# Altium PCB DM1098EMB.PcbDoc (part 2 of 3)
Units mm, origin at the board's own origin, x right, y up, seen from the top; angles counter-clockwise.
Board outline 60 x 40 mm, 4 copper layers (Top Copper, Signal Layer 1, Layer 1, Bottom Layer), stack 1.602 mm thick; 110 components, 113 nets, 514 pads, 381 vias.
Unrouted connection lines stored in the file: 3.
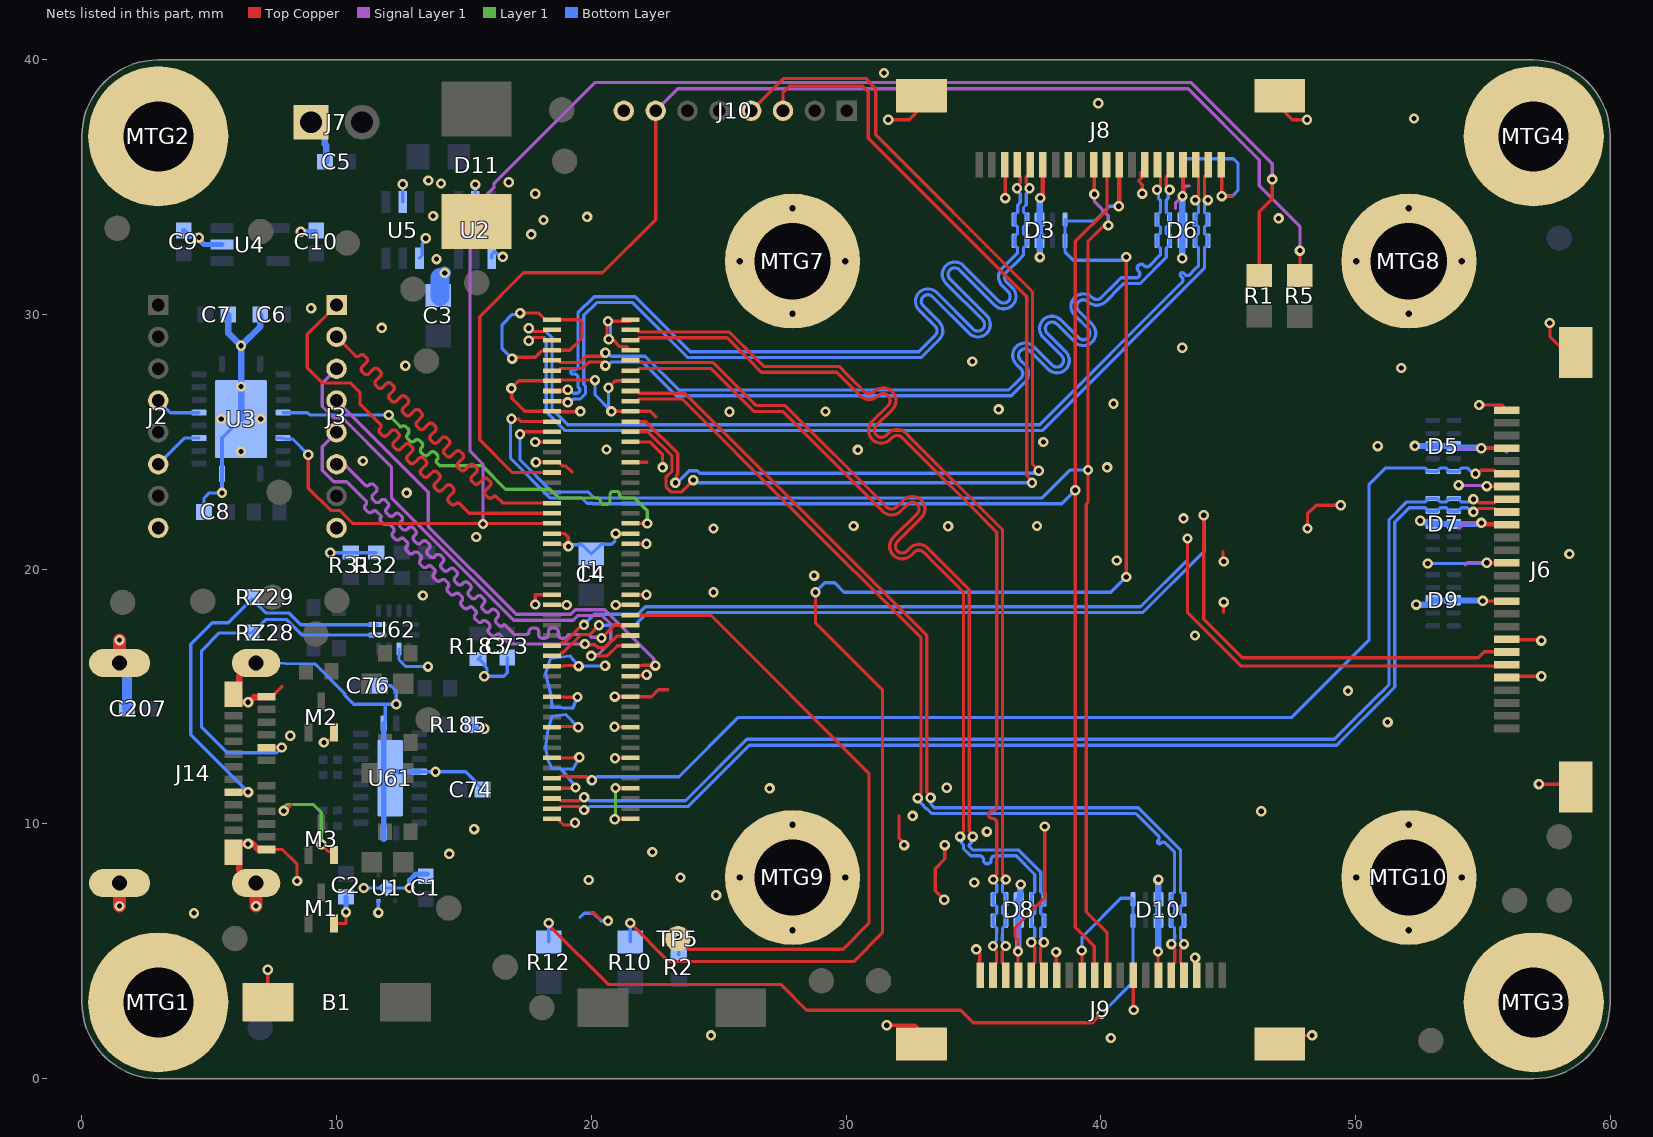
[diagram p4: the nets of this part, all layers, seen from the top]

## Via types
v1: diameter 0.406, hole 0.203, Top Copper to Bottom Layer, tented both sides, 359 vias
v2: diameter 0.508, hole 0.254, Top Copper to Bottom Layer, 18 vias
v3: diameter 0.508, hole 0.254, Top Copper to Bottom Layer, tented both sides, 4 vias

## Nets (pads, with @x,y where several pads share a name; then routed paths per layer and width w, separated by ;. In a path a pad name is that pad's centre, name@x,y a point inside that pad or via, vN(x,y) a via of type N, cw(c..) or ccw(c..) an arc to the next point about the centre after c; other vN are vias at no path point) (continued)
CAM_L_C_N: D6.5 D6.6 J1.95 J8.2 | length 37.9
  Top Copper w0.127: v1(17.542,28.971) 17.617,28.971 17.751,29.104 18.096,29.104 18.2,29 J1.95@18.46,29 ; v1(44.206,34.493) 44.206,34.568 44.073,34.702 44.073,35.2 44.073,35.405 44.209,35.541 J8.2@44.209,35.891
  Bottom Layer w0.127: v1(17.542,28.971) 17.617,28.971 17.751,29.104 18.128,29.104 18.231,29 18.231,26.195 18.298,26.128 18.981,25.446 37.698,25.446 44.073,31.821 44.073,32.603 44.147,32.677 44.172,32.677 44.209,32.714 D6.6@44.209,32.897 44.209,33.079 44.172,33.116 44.147,33.116 44.073,33.19 44.073,33.438 44.147,33.512 44.172,33.512 44.209,33.549 D6.5@44.209,33.731 44.209,33.914 44.172,33.951 44.147,33.951 44.073,34.025 44.073,34.284 44.206,34.417 v1(44.206,34.493)
CAM_L_C_P: D6.4 D6.7 J1.97 J8.3 | length 37.9
  Top Copper w0.127: v1(17.542,29.466) 17.617,29.466 17.751,29.333 18.133,29.333 18.2,29.4 J1.97@18.46,29.4 ; J8.3@43.709,35.891 43.709,35.541 43.844,35.405 43.844,35.105 43.844,34.702 43.711,34.568 v1(43.711,34.493)
  Bottom Layer w0.127: v1(17.542,29.466) 17.617,29.466 17.751,29.333 18.222,29.333 18.46,29.095 18.46,26.29 19.075,25.675 37.603,25.675 43.153,31.224 43.198,31.269 ccw(c43.108,31.359) 43.198,31.448 43.143,31.503 cw(c43.202,31.562) 43.143,31.621 cw(c43.202,31.562) 43.261,31.621 43.316,31.566 ccw(c43.405,31.656) 43.495,31.566 43.7,31.771 43.844,31.916 43.844,32.603 43.77,32.677 43.745,32.677 43.709,32.714 D6.7@43.709,32.897 43.709,33.079 43.745,33.116 43.77,33.116 43.844,33.19 43.844,33.438 43.77,33.512 43.745,33.512 43.709,33.549 D6.4@43.709,33.731 43.709,33.914 43.745,33.951 43.77,33.951 43.844,34.025 43.844,34.284 43.711,34.417 v1(43.711,34.493)
CAM_L_D0_N: D6.2 D6.9 J1.89 J8.5 | length 37.9
  Top Copper w0.127: J1.89@18.46,27.8 18.72,27.8 18.806,27.886 19.65,27.886 19.9,28.135 20.481,28.135 20.555,28.061 v1(20.555,27.996) ; v1(42.706,34.899) 42.676,34.899 42.573,35.002 42.573,35.2 42.573,35.405 42.709,35.541 J8.5@42.709,35.891
  Bottom Layer w0.127: v1(20.555,27.996) 20.629,27.996 20.769,28.135 22.013,28.135 23.336,26.812 36.495,26.812 36.901,27.219 37.026,27.344 ; 36.847,28.213 cw(c37.029,28.396) 37.213,28.578 ; 36.847,28.213 37.026,28.034 ; 37.027,27.345 ccw(c36.682,27.689) 37.06,27.996 37.06,28 37.027,28.033 ; 37.213,28.578 37.937,27.853 ccw(c38.282,28.198) 38.626,27.852 ; 38.626,28.542 37.902,29.267 cw(c38.084,29.45) 38.267,29.632 38.974,28.926 ccw(c39.319,29.27) 39.662,28.925 ; 38.627,27.854 ccw(c38.282,28.198) 38.66,28.505 38.66,28.509 38.627,28.542 ; 39.502,30.507 ccw(c39.846,30.852) 40.19,30.508 40.773,31.091 ; 39.502,30.507 cw(c39.846,30.852) 39.501,30.508 ccw(c39.318,30.325) 39.136,30.142 39.662,29.615 cw(c39.319,29.27) 39.664,28.926 ; 40.774,31.092 40.899,31.217 41.542,31.217 42.573,32.248 42.573,32.603 42.647,32.677 42.672,32.677 42.709,32.714 D6.9@42.709,32.897 42.709,33.079 42.672,33.116 42.647,33.116 42.573,33.19 42.573,33.438 42.647,33.512 42.672,33.512 42.709,33.549 D6.2@42.709,33.731 42.709,33.914 42.672,33.951 42.647,33.951 42.573,34.025 42.573,34.493 42.653,34.573 42.653,34.846 v1(42.706,34.899)
CAM_L_D0_P: D6.1 D6.10 J1.91 J8.6 | length 37.9
  Top Copper w0.127: J1.91@18.46,28.2 18.72,28.2 18.806,28.114 19.555,28.114 19.805,28.364 20.481,28.364 20.555,28.438 v1(20.555,28.504) ; J8.6@42.209,35.891 42.209,35.541 42.344,35.405 42.344,35.105 42.344,35.002 42.241,34.899 v1(42.211,34.899)
  Bottom Layer w0.127: v1(20.555,28.504) 20.629,28.504 20.769,28.364 22.108,28.364 23.431,27.041 36.4,27.041 36.739,27.38 36.864,27.505 ccw(c36.682,27.689) 36.864,27.872 36.685,28.051 cw(c37.029,28.396) 37.337,28.774 37.34,28.774 37.373,28.741 ; 37.374,28.74 38.099,28.015 ccw(c38.282,28.198) 38.465,28.015 ccw(c38.282,28.198) 38.464,28.381 37.74,29.106 cw(c38.084,29.45) 38.391,29.828 38.395,29.828 38.428,29.795 ; 38.429,29.794 39.135,29.088 ccw(c39.319,29.27) 39.502,29.087 ccw(c39.319,29.27) 39.502,29.453 38.974,29.98 cw(c39.318,30.325) 39.663,30.669 ccw(c39.846,30.852) 40.029,30.67 40.612,31.252 40.738,31.379 40.805,31.445 41.447,31.445 41.492,31.49 ccw(c41.384,31.598) 41.492,31.706 41.481,31.717 cw(c41.589,31.825) 41.481,31.932 cw(c41.589,31.825) 41.696,31.932 41.707,31.921 ccw(c41.815,32.029) 41.923,31.921 42.344,32.343 42.344,32.473 42.344,32.603 42.27,32.677 42.245,32.677 42.209,32.714 D6.10@42.209,32.897 42.209,33.079 42.245,33.116 42.27,33.116 42.344,33.19 42.344,33.438 42.27,33.512 42.245,33.512 42.209,33.549 D6.1@42.209,33.731 42.209,33.914 42.245,33.951 42.27,33.951 42.344,34.025 42.344,34.493 42.264,34.573 42.264,34.846 v1(42.211,34.899)
CAM_L_D1_N: D3.2 D3.9 J1.83 J8.16 | length 37.9
  Top Copper w0.127: v1(37.206,34.96) 37.206,35.036 37.073,35.169 37.073,35.405 37.209,35.541 J8.16@37.209,35.891
  Top Copper w0.178: J1.83@18.46,26.6 v1@18.967,26.599
  Bottom Layer w0.127: v1(19.075,26.552) 19.151,26.552 19.284,26.686 19.564,26.686 19.772,26.894 19.772,27.189 19.705,27.256 19.705,29.969 20.207,30.471 21.632,30.471 23.787,28.315 32.953,28.315 33.338,28.7 33.533,28.896 33.658,29.021 ; 33.396,30.704 34.834,29.266 ccw(c35.179,29.61) 35.523,29.265 ; 33.396,30.704 ccw(c33.212,30.522) 33.03,30.339 33.658,29.711 ; 33.659,29.022 ccw(c33.314,29.366) 33.692,29.673 33.692,29.677 33.659,29.71 ; 35.524,29.954 35.557,29.921 35.557,29.917 cw(c35.179,29.61) 35.524,29.266 ; 35.523,29.955 34.085,31.393 cw(c34.267,31.576) 34.45,31.758 35.843,30.366 ccw(c36.187,30.71) 36.531,30.365 ; 36.533,30.366 ccw(c36.187,30.71) 36.531,31.055 36.294,31.292 cw(c36.477,31.475) 36.295,31.658 36.818,32.18 ; 36.818,32.181 36.944,32.306 36.966,32.329 36.966,32.603 37.04,32.677 37.065,32.677 37.101,32.714 D3.9@37.101,32.896 37.101,33.079 37.065,33.115 37.04,33.115 36.966,33.19 36.966,33.438 37.04,33.512 37.065,33.512 37.101,33.549 D3.2@37.101,33.731 ; D3.2@37.104,33.731 37.104,33.914 37.067,33.951 37.042,33.951 36.968,34.025 36.968,34.205 37.073,34.309 37.073,34.751 37.206,34.885 v1(37.206,34.96)
CAM_L_D1_P: D3.1 D3.10 J1.85 J8.17 | length 37.9
  Top Copper w0.127: J8.17@36.709,35.891 36.709,35.541 36.844,35.405 36.844,35.169 36.711,35.036 v1(36.711,34.96)
  Top Copper w0.178: J1.85@18.46,27 v1@18.967,27.001
  Bottom Layer w0.127: v1(19.075,27.048) 19.151,27.048 19.284,26.914 19.469,26.914 19.543,26.989 19.543,27.094 19.476,27.161 19.476,27.475 19.476,27.539 ccw(c19.349,27.539) 19.349,27.666 19.28,27.666 cw(c19.28,27.749) 19.28,27.833 19.349,27.833 ccw(c19.349,27.96) 19.476,27.96 19.476,28.456 19.476,30.064 20.112,30.699 21.726,30.699 23.882,28.544 32.858,28.544 33.176,28.862 33.371,29.057 33.496,29.182 ccw(c33.314,29.366) 33.496,29.549 32.868,30.177 cw(c33.212,30.522) 33.52,30.9 33.523,30.9 33.556,30.867 ; 33.557,30.866 34.995,29.428 ; 34.611,31.921 34.578,31.954 34.574,31.954 ccw(c34.267,31.576) 33.923,31.232 35.361,29.794 cw(c35.179,29.61) 35.362,29.427 cw(c35.179,29.61) 34.996,29.427 ; 34.611,31.92 36.004,30.528 ccw(c36.187,30.71) 36.37,30.527 ccw(c36.187,30.71) 36.37,30.893 36.134,31.129 cw(c36.477,31.475) 36.133,31.819 36.656,32.342 ; D3.1@36.601,33.731 36.601,33.549 36.638,33.512 36.663,33.512 36.737,33.438 36.737,33.19 36.663,33.115 36.638,33.115 36.601,33.079 D3.10@36.601,32.896 36.601,32.714 36.638,32.677 36.663,32.677 36.737,32.603 36.737,32.513 36.737,32.423 36.657,32.343 ; D3.1@36.604,33.731 36.604,33.914 36.64,33.951 36.665,33.951 36.739,34.025 36.739,34.299 36.844,34.404 36.844,34.751 36.711,34.885 v1(36.711,34.96)
CAM_R_C_N: D8.5 D8.6 J1.96 J9.2 | length 38.2
  Top Copper w0.127: J1.96@21.54,29 21.8,29 21.886,29.086 25.33,29.086 26.176,28.24 26.68,27.737 29.639,27.737 29.855,27.52 29.934,27.441 30.556,26.819 ccw(c30.912,27.173) 31.267,26.819 cw(c31.46,26.625) 31.653,26.819 ; 31.032,25.81 ccw(c31.387,25.455) 31.032,25.1 ccw(c31.387,25.455) 31.742,25.1 31.815,25.173 cw(c32.009,24.98) 32.202,25.173 ; 31.032,25.811 31.653,26.431 ; 31.653,26.431 ccw(c31.46,26.625) 31.654,26.818 ; 32.203,25.173 32.328,25.047 33.543,23.833 34.73,22.645 35.915,21.46 35.915,11.044 35.915,10.673 cw(c35.761,10.673) 35.761,10.52 35.747,10.52 ccw(c35.747,10.366) 35.747,10.213 35.761,10.213 cw(c35.761,10.059) 35.915,10.059 35.915,9.684 35.915,8.031 35.782,7.897 v1(35.782,7.822) ; J9.2@35.771,4.07 35.771,4.42 35.907,4.556 35.907,5.004 35.774,5.137 v1(35.774,5.213)
  Bottom Layer w0.127: v1(35.774,5.213) 35.774,5.289 35.907,5.422 35.907,5.726 35.915,5.733 35.915,5.913 35.841,5.987 35.816,5.987 35.779,6.024 D8.5@35.779,6.207 35.779,6.389 35.816,6.426 35.841,6.426 35.915,6.5 35.915,6.748 35.841,6.822 35.816,6.822 35.779,6.859 D8.6@35.779,7.041 35.779,7.224 35.816,7.261 35.841,7.261 35.915,7.335 35.915,7.613 35.782,7.746 v1(35.782,7.822)
CAM_R_C_P: D8.4 D8.7 J1.98 J9.3 | length 38.2
  Top Copper w0.127: J1.98@21.54,29.4 21.8,29.4 21.886,29.314 25.425,29.314 26.492,28.247 26.774,27.965 29.733,27.965 30.016,27.682 30.096,27.603 30.718,26.981 ccw(c30.912,27.173) 31.105,26.98 cw(c31.46,26.625) 31.815,26.98 cw(c31.46,26.625) 31.815,26.27 31.194,25.649 ccw(c31.387,25.455) 31.193,25.262 ; 31.194,25.261 ccw(c31.387,25.455) 31.581,25.262 31.653,25.334 ; 31.653,25.334 cw(c32.009,24.98) 32.364,25.334 ; 32.364,25.334 32.489,25.209 33.704,23.994 35.046,22.653 36.144,21.555 36.144,9.908 36.144,8.031 36.277,7.897 v1(36.277,7.822) ; v1(36.269,5.213) 36.269,5.137 36.136,5.004 36.136,4.556 36.271,4.42 J9.3@36.271,4.07
  Bottom Layer w0.127: v1(36.269,5.213) 36.269,5.289 36.136,5.422 36.136,5.631 36.144,5.639 36.144,5.913 36.218,5.987 36.243,5.987 36.279,6.024 D8.4@36.279,6.207 36.279,6.389 36.243,6.426 36.218,6.426 36.144,6.5 36.144,6.748 36.218,6.822 36.243,6.822 36.279,6.859 D8.7@36.279,7.041 36.279,7.224 36.243,7.261 36.218,7.261 36.144,7.335 36.144,7.613 36.277,7.746 v1(36.277,7.822)
CAM_R_D0_N: D8.2 D8.9 J1.90 J9.5 | length 38.1
  Top Copper w0.127: J1.90@21.54,27.8 21.8,27.8 21.886,27.886 24.696,27.886 25.577,27.004 26.382,26.2 27.519,26.2 31.317,22.402 31.442,22.277 ; 31.443,22.276 ccw(c31.791,22.624) 32.139,22.277 32.419,22.556 ; 32.419,22.557 cw(c32.606,22.37) 32.792,22.557 ; 32.793,22.556 cw(c32.606,22.37) 32.792,22.184 31.859,21.251 ccw(c32.206,20.902) 31.858,20.554 ccw(c32.206,20.902) 32.554,20.555 32.672,20.673 cw(c32.859,20.487) 33.046,20.672 33.59,20.129 33.744,19.975 34.312,19.407 34.612,19.106 34.612,9.714 34.479,9.581 v1(34.479,9.505) ; J9.5@37.271,4.07 37.271,4.42 37.407,4.556 37.407,5.146 37.274,5.28 v1(37.274,5.355)
  Bottom Layer w0.127: v1(34.479,9.505) 34.533,9.452 34.533,9.259 34.612,9.179 34.612,9.028 34.891,8.749 35.252,8.749 cw(c35.252,8.601) 35.4,8.601 35.4,8.584 ccw(c35.549,8.584) 35.549,8.435 ccw(c35.549,8.584) 35.697,8.584 35.697,8.601 cw(c35.846,8.601) 35.846,8.749 36.087,8.749 36.4,8.749 36.683,8.749 37.415,8.017 37.415,7.335 37.341,7.261 37.316,7.261 37.279,7.224 D8.9@37.279,7.041 37.279,6.859 37.316,6.822 37.341,6.822 37.415,6.748 37.415,6.5 37.341,6.426 37.316,6.426 37.279,6.389 D8.2@37.279,6.207 37.279,6.024 37.316,5.987 37.341,5.987 37.415,5.913 37.415,5.569 37.274,5.428 v1(37.274,5.355)
CAM_R_D0_P: D8.1 D8.10 J1.92 J9.6 | length 38.1
  Top Copper w0.127: J1.92@21.54,28.2 21.8,28.2 21.886,28.114 24.79,28.114 25.893,27.012 26.476,26.428 27.614,26.428 31.479,22.563 31.604,22.438 ccw(c31.791,22.624) 31.977,22.438 32.257,22.718 ; 32.02,21.088 ccw(c32.206,20.902) 32.019,20.716 ccw(c32.206,20.902) 32.392,20.716 32.511,20.834 cw(c32.859,20.487) 33.17,20.868 33.174,20.868 33.207,20.835 cw(c32.859,20.487) 33.208,20.834 33.819,20.223 33.839,20.203 34.474,19.568 34.841,19.201 34.841,9.714 34.974,9.581 v1(34.974,9.505) ; 32.02,21.089 32.953,22.022 ; 32.257,22.718 cw(c32.606,22.37) 32.954,22.718 cw(c32.606,22.37) 32.953,22.022 ; v1(37.769,5.355) 37.769,5.28 37.636,5.146 37.636,4.556 37.771,4.42 J9.6@37.771,4.07
  Bottom Layer w0.127: v1(34.974,9.505) 34.921,9.452 34.921,9.259 34.841,9.179 34.841,9.123 34.986,8.978 36.778,8.978 37.644,8.112 37.644,7.335 37.718,7.261 37.743,7.261 37.779,7.224 D8.10@37.779,7.041 37.779,6.859 37.743,6.822 37.718,6.822 37.644,6.748 37.644,6.5 37.718,6.426 37.743,6.426 37.779,6.389 D8.1@37.779,6.207 37.779,6.024 37.743,5.987 37.718,5.987 37.644,5.913 37.644,5.556 37.769,5.431 v1(37.769,5.355)
CAM_R_D1_N: D10.2 D10.9 J1.84 J9.16 | length 38.2
  Top Copper w0.127: J1.84@21.54,26.6 21.8,26.6 21.886,26.686 23.569,26.686 27.76,22.495 32.946,17.309 32.946,11.222 32.816,11.092 v1(32.816,11.017) ; J9.16@42.771,4.07 42.771,4.42 42.907,4.556 42.907,5.076 42.774,5.209 v1(42.774,5.285)
  Bottom Layer w0.127: v1(32.816,11.017) 32.816,10.941 33.048,10.709 33.048,10.699 33.144,10.603 33.18,10.603 33.371,10.411 41.383,10.411 41.428,10.366 42.258,9.537 cw(c42.168,9.447) 42.258,9.357 42.25,9.35 ccw(c42.302,9.298) 42.25,9.246 ccw(c42.302,9.298) 42.354,9.246 42.362,9.253 cw(c42.452,9.163) 42.541,9.253 42.586,9.208 42.901,8.893 42.901,7.335 42.827,7.261 42.802,7.261 42.766,7.224 D10.9@42.766,7.041 42.766,6.859 42.802,6.822 42.827,6.822 42.901,6.748 42.901,6.5 42.827,6.426 42.802,6.426 42.766,6.389 D10.2@42.766,6.207 42.766,6.024 42.802,5.987 42.827,5.987 42.901,5.913 42.901,5.639 42.907,5.633 42.907,5.494 42.774,5.361 v1(42.774,5.285)
CAM_R_D1_P: D10.1 D10.10 J1.86 J9.17 | length 38.2
  Top Copper w0.127: J1.86@21.54,27 21.8,27 21.886,26.914 23.664,26.914 27.768,22.811 33.175,17.404 33.175,11.244 33.324,11.094 v1(33.324,11.029) ; v1(43.269,5.285) 43.269,5.209 43.136,5.076 43.136,4.556 43.271,4.42 J9.17@43.271,4.07
  Bottom Layer w0.127: v1(33.324,11.029) 33.341,11.012 33.341,10.764 33.466,10.64 41.478,10.64 42.279,9.839 43.13,8.988 43.13,7.335 43.204,7.261 43.229,7.261 43.266,7.224 D10.10@43.266,7.041 43.266,6.859 43.229,6.822 43.204,6.822 43.13,6.748 43.13,6.5 43.204,6.426 43.229,6.426 43.266,6.389 D10.1@43.266,6.207 43.266,6.024 43.229,5.987 43.204,5.987 43.13,5.913 43.13,5.733 43.136,5.728 43.136,5.494 43.269,5.361 v1(43.269,5.285)
CC1: J14.A5 RZ28.2 U62.1 | length 14.9
  Top Copper w0.158: J14.A5@7.25,13 7.252,13.002 7.846,13.002 v1(7.849,13.005)
  Bottom Layer w0.127: v1(7.849,13.005) 7.644,12.8 5.7,12.8 4.7,13.8 4.7,16.8 5.4,17.5 RZ28.2@6.7,17.5 6.7,17.55 6.912,17.761 6.962,17.761 7.231,18.031 8.024,18.031 8.631,17.425 U62.1@11.6,17.425
CC2: J14.B5 RZ29.2 U62.2 | length 15.8
  Top Copper w0.152: J14.B5@5.95,11.25 5.951,11.251 6.527,11.251 v1(6.528,11.252)
  Bottom Layer w0.127: v1(6.528,11.252) 4.271,13.509 4.271,17.056 5.114,17.898 5.748,17.898 6.675,18.825 7.212,18.288 8.131,18.288 8.594,17.825 U62.2@11.6,17.825
COM_AUX_IO2: J1.42 R2.1 TP5.1 | length 26.6
  Top Copper w0.127: J1.42@21.54,18.2 24.7,18.2 30.9,12 30.9,6.1 29.885,5.085 23.815,5.085 v1(23.4,5.5)
  Bottom Layer w0.127: v1(23.4,5.5) 23.432,5.468 R2.1@23.432,4.868
FSIN1: D3.5 D3.6 J8.9 R10.2 | length 61.3
  Top Copper w0.127: v1(21.533,6.115) 23.047,4.6 30.298,4.6 31.429,5.731 31.429,15.271 28.8,17.9 v1(28.8,19.1) ; v1(40.709,34.25) J8.9@40.709,35.75 ; v1@40.75,34.25 J8.9@40.75,36.25 ; v1(41,19.7) v1(41,32.26)
  Bottom Layer w0.127: R10.2@21.533,5.371 v1(21.533,6.115) ; v1(28.8,19.1) 29.168,19.468 29.553,19.468 29.921,19.1 40.4,19.1 v1(41,19.7) ; D3.5@38.601,33.731 D3.6@38.601,32.896 38.601,32.453 38.923,32.132 40.872,32.132 v1(41,32.26) ; D3.5@38.604,33.731 38.604,33.672 39.758,33.672 40.335,34.25 v1(40.709,34.25)
FSIN2: D10.5 D10.6 J9.9 R12.2 | length 33.4
  Top Copper w0.127: v1(18.333,6.115) 18.386,6.062 18.386,5.974 20.658,3.703 27.436,3.703 28.45,2.689 34.511,2.689 35,2.2 39.663,2.2 40.012,2.55 v1(40.031,2.55) ; v1(39.255,5.036) 39.263,5.028 39.263,4.078 J9.9@39.271,4.07
  Bottom Layer w0.127: R12.2@18.333,5.371 v1(18.333,6.115) ; v1(39.255,5.036) 39.265,5.045 39.265,5.559 40.788,7.083 41.229,7.083 41.266,7.046 D10.6@41.266,7.041 D10.5@41.266,6.207 41.266,3.784 v1(40.031,2.55)
GND: B1.1 C1.1 C2.1 C3.1 C4.1 C5.1 C6.1 C7.1 C8.1 C9.1 C10.1 C73.1 C74.1 C76.1 C207.1 D3.3 D3.8 D5.3 D5.8 D6.3 D6.8 D7.3 D7.8 D8.3 D8.8 D9.3 D9.8 D10.3 D10.8 D11.2 J1.1 J1.2 J1.7 J1.8 J1.13 J1.14 J1.19 J1.20 J1.25 J1.26 J1.30 J1.31 J1.43 J1.44 J1.45 J1.46 J1.55 J1.56 J1.57 J1.58 J1.71 J1.72 J1.75 J1.76 J1.81 J1.82 J1.87 J1.88 J1.93 J1.94 J1.99 J1.100 J2.8 J3.8 J6.5 J6.8 J6.11 J6.14 J6.17 J6.20 J6.23 J6.26 J6.MP1 J6.MP2 J7.P1 J8.1 J8.4 J8.7 J8.13 J8.15 J8.18 J8.MP1 J8.MP2 J9.1 J9.4 J9.7 J9.13 J9.15 J9.18 J9.MP1 J9.MP2 J10.8 J14.A1 J14.A12 J14.B1 J14.B12 J14.SH1 J14.SH2 J14.SH3 J14.SH4 M1.2 M2.2 M3.2 MTG1.1 MTG2.1 MTG3.1 MTG4.1 MTG7.1 MTG8.1 MTG9.1 MTG10.1 R31.2 R32.2 R183.1 R185.2 U1.2 U1.5 U2.2 U2.4 U3.11 U3.21 U4.2 U5.2 U5.4 U61.5 U61.11 U61.20 U61.21 U62.10 | length 217.4
  Top Copper w0.127: J14.A12@7.25,9 7.864,9 8.45,8.414 v1(8.45,7.765) ; J14.A1@7.25,15 7.45,15 7.86,15.41 ; B1.1@7.3,3 v1(7.3,4.277) ; v1(7.925,10.516) 8,10.516 8.23,10.745 ; v1(9.4,9.2) 9.678,8.922 9.813,8.922 9.9,8.835 M3.2@9.9,8.79 ; v1(9.5,13.2) 9.576,13.2 9.674,13.299 9.882,13.299 9.913,13.33 9.913,13.517 M2.2@9.986,13.59 ; M1.2@10,6.09 10.37,6.09 v1(10.37,6.54) ; v1(16.863,27.104) v1@16.876,27.09 ; v1(16.891,28.27) 16.944,28.324 17.804,28.324 18.053,28.574 18.409,28.574 J1.93@18.435,28.6 ; v1(17.204,30.058) 17.942,30.058 18.173,29.827 18.434,29.827 J1.99@18.46,29.8 19.56,29.8 19.634,29.726 19.634,29.08 19.154,28.6 J1.93@18.46,28.6 ; v1(17.8,18.62) 17.8,19 J1.45@18.435,19 ; v1(17.8,25) J1.75@18.235,25 ; v1(17.824,24.2) J1.71@18.435,24.2 ; J1.7@18.435,11.4 19.349,11.4 v1(19.38,11.432) ; J1.13@18.435,12.6 J1.13@18.46,12.6 18.7,12.6 18.71,12.59 19.247,12.59 19.255,12.598 19.507,12.598 v1(19.533,12.624) ; J1.19@18.435,13.8 18.46,13.825 19.465,13.825 v1(19.49,13.8) ; J1.25@18.435,15 18.449,14.986 18.939,14.986 18.947,14.978 19.253,14.978 19.261,14.986 v1(19.456,14.986) ; J1.31@18.435,16.2 J1.31@18.46,16.2 18.925,16.2 18.947,16.222 19.253,16.222 19.275,16.2 v1(19.502,16.2) ; J1.43@18.435,18.6 J1.43@18.46,18.6 v1(19.038,18.6) ; J1.1@18.46,10.2 18.72,10.2 18.747,10.174 18.747,10.126 18.909,9.963 19.199,9.963 19.288,10.052 v1(19.363,10.052) ; J1.55@18.46,21 18.487,20.974 18.951,20.974 19.024,20.9 v1(19.1,20.9) 19.1,21.256 18.956,21.4 J1.57@18.46,21.4 ; J1.71@18.46,24.2 18.72,24.2 18.865,24.055 19.002,24.055 19.23,23.828 ; J1.81@18.46,26.2 J1.81@18.435,26.2 ; J1.87@18.46,27.4 J1.87@18.435,27.4 ; v1(19.571,26.2) 19.555,26.184 18.451,26.184 J1.81@18.435,26.2 ; 20.001,6.509 20.099,6.509 20.332,6.276 ; v1(20.145,27.428) 18.463,27.428 J1.87@18.435,27.4 ; v1@20.617,29.737 20.617,29.097 v1(20.683,29.031) 20.835,29.031 21.122,28.745 21.395,28.745 J1.94@21.54,28.6 ; v1(20.653,29.737) 21.535,29.737 J1.100@21.583,29.786 ; v1(20.676,27.127) 20.948,27.4 J1.88@21.54,27.4 J1.88@21.565,27.4 ; v1(20.79,26.2) 22.314,26.2 22.53,25.984 ; v1(20.912,13.816) 20.92,13.808 21.532,13.808 J1.20@21.54,13.8 ; v1(20.919,10.184) 20.927,10.192 21.532,10.192 J1.2@21.54,10.2 ; v1(20.918,15) J1.26@21.54,15 22.365,15 22.635,15.27 22.998,15.27 ; v1(20.931,12.584) 20.939,12.592 21.532,12.592 J1.14@21.54,12.6 ; v1(20.95,11.416) 20.958,11.408 21.532,11.408 J1.8@21.54,11.4 ; v1(20.962,18.6) J1.44@21.54,18.6 J1.44@21.565,18.6 ; v1(20.962,21.4) J1.58@21.54,21.4 J1.58@21.565,21.4 ; J1.100@21.28,29.8 J1.100@21.54,29.8 ; J1.30@21.565,15.8 21.592,15.827 22.137,15.827 v1(22.173,15.862) ; J1.46@21.565,19 v1(22.168,19) ; J1.56@21.565,21 v1(22.168,21) ; J1.72@21.565,24.2 22.176,24.2 ; J1.76@21.565,25 22.3,25 22.8,24.5 v1(22.8,24) ; v1(31.6,2.1) 32.725,2.1 J9.MP1@32.975,1.85 ; v1(31.656,37.65) 32.475,37.65 J8.MP2@32.975,38.15 ; 32.083,10.333 32.083,9.442 32.28,9.246 v1(32.28,9.17) ; v1(33.854,7.028) 33.5,7.382 33.5,8.25 33.876,8.626 v1(33.876,9.17) v1@33.876,9.246 ; v1(35.113,5.078) 35.253,4.939 35.253,4.253 35.25,4.25 J9.1@35.25,3.75 ; v1(36.25,34.574) 36.25,35.75 J8.18@36.25,36.25 ; J9.4@36.75,3.75 v1(36.75,5) 36.75,5.45 36.637,5.563 36.637,5.937 37.8,7.1 v1(37.8,9.9) ; v1@37.709,34.6 J8.15@37.709,35.75 ; 37.709,35.15 J8.15@37.709,35.75 ; J8.15@37.709,36.25 J8.15@37.709,35.75 ; v1@37.75,34.6 37.75,35.75 J8.15@37.75,36.25 ; J9.7@38.25,3.75 38.25,4.25 v1(38.25,4.976) ; J9.13@41.25,3.75 41.275,3.725 41.275,2.725 v1(41.3,2.7) ; v1@41.729,34.642 41.721,34.642 41.7,34.62 41.574,34.746 41.575,34.747 v1(41.631,34.747) 41.631,35.1 41.483,35.248 41.631,35.396 41.578,35.448 41.631,35.5 41.566,35.566 41.75,35.75 J8.7@41.75,36.25 ; J9.15@42.25,3.75 v1(42.25,4.994) ; v1(43.209,34.651) J8.4@43.209,35.75 ; v1@43.25,34.652 43.25,35.75 J8.4@43.25,36.25 ; v1(43.705,4.746) 43.727,4.723 43.727,3.773 J9.18@43.75,3.75 ; J8.1@44.75,36.25 44.75,35.75 v1(44.75,34.65) 45.166,34.65 ; 44.799,20.701 44.799,20.34 v1(44.832,20.307) ; 44.818,18.318 44.818,18.698 v1(44.832,18.711) ; J9.MP2@47.025,1.85 47.175,1.7 v1(48.3,1.7) ; J8.MP1@47.025,38.15 47.525,37.65 v1(48.1,37.65) ; v1(48.117,21.598) 48.117,22.177 48.456,22.516 v1(49.423,22.516) ; v1(54.855,26.452) 55.748,26.452 J6.26@55.95,26.25 ; v1(54.94,24.749) 54.994,24.749 54.995,24.75 J6.23@55.95,24.75 ; v1@54.946,21.75 J6.17@55.95,21.75 55.914,21.786 54.982,21.786 v1(54.946,21.822) ; v1(55,18.759) 55.728,18.759 J6.11@56.328,18.759 ; v1(55.158,23.264) 55.167,23.256 55.944,23.256 J6.20@55.95,23.25 ; J6.14@55.95,20.25 55.945,20.255 55.16,20.255 v1(55.158,20.257) 55.725,20.257 55.728,20.259 J6.14@56.328,20.259 ; J6.5@56.328,15.759 56.369,15.8 v1(57.3,15.8) ; J6.8@56.328,17.259 56.358,17.23 57.27,17.23 v1(57.3,17.2) ; v1(57.202,11.565) 58.092,11.565 58.2,11.456 J6.MP1@58.228,11.484 ; v1(57.628,29.672) 57.642,29.658 57.642,29.121 J6.MP2@58.228,28.534 ; v1@16.876,27.09 16.876,27.117 17.159,27.4 J1.87@18.435,27.4 ; v1@16.876,27.09 16.876,26.71 17.349,26.238 17.386,26.2 J1.81@18.435,26.2
  Top Copper w0.25: J14.SH4@6.84,7.68 6.67,7.68 6.175,8.175 6.175,8.675 5.95,8.9 6.27,9.22 v1(6.528,9.22) 6.709,9.22 6.93,9 J14.A12@7.25,9 ; J14.SH1@6.84,16.32 6.67,16.32 6.175,15.825 6.175,15.621 6.175,15.325 J14.B12@5.95,15.1 5.95,15.008 6.175,14.783 v1(6.528,14.783) 6.56,14.783 6.752,14.975 7.225,14.975 J14.A1@7.25,15
  Top Copper w0.508: v1(1.48,6.78) J14.SH3@1.48,7.68 ; J14.SH2@1.48,16.32 v1(1.48,17.22) ; v1(6.84,6.78) J14.SH4@6.84,7.68
  Signal Layer 1 w0.127: v1(36.75,5) 36.75,6.003 36.862,6.115 ; 42.934,34.175 42.934,34.369 43.209,34.643 v1(43.209,34.651) 43.262,34.705 43.262,34.969 43.336,35.043 43.483,35.043 ; 53.666,24.962 53.878,24.749 v1(54.94,24.749) 55.791,24.749 55.939,24.6 ; 54.051,21.598 54.275,21.822 v1(54.946,21.822) ; v1(54.051,23.306) 54.072,23.285 55.137,23.285 v1(55.158,23.264) ; 54.306,20.169 54.394,20.257 v1(55.158,20.257)
  Layer 1 w0.127: v1(7.925,10.516) 7.977,10.568 7.977,10.692 8.051,10.766 9.089,10.766 9.4,10.455 v1(9.4,9.2) ; v1(20.919,10.184) 20.919,10.2 20.95,10.232 v1(20.95,11.416)
  Bottom Layer w0.127: C8.1@4.8,22.25 4.8,22.8 5,23 v1(5.5,23) ; U3.21@5.5,25.15 U3.21@6.25,25.9 ; J14.SH1@6.84,16.32 9.121,16.286 9.149,16.275 9.173,16.265 9.191,16.247 10.325,15.113 10.325,15.047 10.675,14.697 11.912,14.697 ; C10.1@9.15,33.25 C10.1@9.2,33.3 ; v1(9.754,20.65) R31.2@10.55,20.65 R32.2@11.55,20.65 ; v1(11.07,7.49) U1.5@11.97,7.49 v1(12.87,7.49) 12.87,7.618 v1@12.871,7.619 ; v1(11.64,6.521) U1.2@11.64,6.98 ; C76.1@11.7,15.425 12.137,15.425 12.345,15.218 v1(12.345,14.7) 11.912,14.697 ; U61.21@11.85,11.55 U61.21@12.35,12.05 ; U61.20@11.85,13.95 11.912,14.012 11.912,14.697 ; U62.10@12.45,16.875 12.45,16.455 12.725,16.18 v1(13.589,16.18) ; U5.2@12.598,34.417 v1(12.598,35.117) ; U5.4@13.248,32.217 13.36,32.328 13.36,32.784 13.5,32.924 v1(13.5,33) ; U61.5@13.25,12.05 v1(13.883,12.05) 15.078,12.05 15.487,11.641 15.487,11.6 C74.1@15.734,11.354 ; R185.2@15.3,13.9 15.459,13.741 v1(15.799,13.741) ; U2.2@15.443,34.417 v1(15.443,35.103) ; R183.1@15.653,16.571 R183.1@15.552,16.471 15.602,16.471 15.814,16.259 15.814,16.209 15.904,16.119 15.904,15.979 15.8,15.876 v1(15.8,15.8) ; v1@15.824,15.776 v1(15.8,15.8) ; U2.4@16.093,32.217 16.093,32.368 16.205,32.48 16.42,32.265 v1(16.522,32.265) ; C73.1@16.701,16.534 16.701,15.934 16.567,15.8 v1(15.8,15.8) ; v1(16.891,28.27) 16.497,28.664 16.497,29.6 16.902,30.005 17.151,30.005 v1(17.204,30.058) ; v1(19.1,20.9) 19.176,20.9 19.24,20.965 19.635,20.965 C4.1@20,20.6 20.387,20.987 20.795,20.987 20.936,21.127 ; v1(19.38,11.432) 19.38,11.474 18.812,12.166 ; v1(19.456,14.986) 19.272,14.545 18.452,14.583 18.442,14.993 18.2,15.9 18.4,16.5 19.156,16.6 v1(19.502,16.2) 19.508,16.206 20.538,16.206 v1(20.544,16.213) ; v1(19.49,13.8) 19,14.3 18.452,14.217 18.3,13.7 18.2,13 18.3,12.5 18.452,12.183 18.812,12.166 ; v1(19.533,12.624) 19.272,12.145 18.812,12.166 ; 19.554,6.329 19.721,6.496 20.085,6.496 20.383,6.198 v1(20.658,6.198) ; v1(20.145,27.428) 20.145,26.845 v1(20.79,26.2) 20.79,26.276 20.676,26.39 v1(20.676,27.127) ; v1(20.653,29.737) 20.75,29.641 v1@20.75,28.927 ; v1(20.683,29.031) v1@20.75,28.965 ; v1(43.209,34.651) 43.209,36.011 ; D6.3@43.25,33.582 43.25,36.011 43.358,36.119 45.212,36.119 45.39,35.941 45.39,34.874 45.166,34.65 v1(44.75,34.65) ; v1@52.75,20.232 55.133,20.232 v1(55.158,20.257)
  Bottom Layer w0.152: v1(5.5,23) U3.11@5.5,23.75 U3.21@5.5,25.15
  Bottom Layer w0.203: C9.1@4,33.3 4.208,33.092 4.474,33.092 4.545,33.02 v1(4.6,33.02) ; v1@4.6,32.95 4.8,32.75 U4.2@5.5,32.75 ; v1(8.6,33.25) C10.1@9.15,33.25 ; v1(10.37,6.54) C2.1@10.37,7.14 ; U61.11@11.85,9.4 U61.11@11.85,9.65 11.85,11.55 U61.20@11.85,13.95 ; U61.21@12.35,12.05 U61.5@13.25,12.05 ; v1@12.871,7.619 12.871,7.791 13.12,8.04 C1.1@13.57,8.04
  Bottom Layer w0.25: v1(36.75,5) 36.765,5.015 36.765,7.027 D8.8@36.779,7.041 36.844,7.106 36.844,7.606 v1(36.862,7.625) ; v1@42.209,7.872 v1(42.266,7.816) D10.8@42.266,7.041 42.258,7.034 42.258,5.002 v1(42.25,4.994) ; v1(52.335,24.845) 52.394,24.845 52.401,24.838 D5.8@53.032,24.838 D5.3@53.867,24.838 53.941,24.765 54.924,24.765 v1(54.94,24.749) ; v1(52.39,18.611) 52.859,18.612 D9.8@53.032,18.785 53.045,18.772 54.987,18.772 v1(55,18.759) ; v1(52.548,21.904) 52.59,21.904 52.64,21.854 52.957,21.854 D7.8@53.032,21.779 D7.3@53.867,21.779 54.902,21.779 v1(54.946,21.822)
  Bottom Layer w0.254: C7.1@5.75,30 5.75,29.275 v1(6.25,28.775) ; U3.21@6.25,25.9 v1(6.25,28.775) ; C6.1@7,30 7,29.525 v1(6.25,28.775) ; J7.P1@9,37.55 9.545,37.005 9.545,36.696 9.6,36.641 C5.1@9.6,36 ; D3.3@37.601,33.731 D3.3@37.601,33.729 ; v1(37.61,32.255) 37.601,32.263 D3.8@37.601,32.896 D3.3@37.601,33.729 ; v1(37.627,34.58) 37.615,34.568 37.615,33.743 D3.3@37.601,33.729 ; v1(43.203,32.214) 43.209,32.219 D6.8@43.209,32.897 D6.3@43.209,33.731 v1(43.209,34.651)
  Bottom Layer w0.381: v1(1.48,17.22) J14.SH2@1.48,16.32 1.77,16.03 C207.1@1.77,14.521
  Bottom Layer w0.508: C3.1@13.991,30.654 C3.1@14.061,30.724 ; 14.061,31.446 v1(14.245,31.631)
  Bottom Layer w0.762: C3.1@14.061,30.724 14.061,31.446
  other v1: 40.4,1.6 24.7,1.7 4.4,6.5 24.9,7.2 35.036,7.704 19.9,7.8 23.5,7.9 14.427,8.827 22.4,8.9 35.531,9.702 15.4,9.8 32.615,10.318 46.3,10.5 27,11.4 33.955,11.421 8.181,13.464 51.264,14 49.709,15.225 43.7,17.4 13.389,18.969 24.8,19.1 28.75,19.75 52.838,20.228 40.632,20.346 58.4,20.6 15.481,21.27 24.8,21.6 34.01,21.689 30.3,21.7 37.5,21.7 43.25,22 12.75,23 40.25,24 11.034,24.249 20.6,24.7 30.466,24.688 50.88,24.836 37.75,25 25.424,26.184 29.193,26.193 35.991,26.279 40.5,26.5 51.8,27.9 12.7,27.991 34.962,28.158 43.2,28.7 11.773,29.477 9,30.25 13.924,32.177 17.641,33.15 18.123,33.715 46.984,33.776 19.835,33.837 13.789,33.868 17.798,34.746 14.098,35.148 16.756,35.194 13.603,35.261 52.3,37.7 39.9,38.3 31.49,39.484
  other v2: 27.9,5.825 52.1,5.825 25.825,7.9 29.975,7.9 50.025,7.9 54.175,7.9 27.9,9.975 52.1,9.975 27.9,30.025 52.1,30.025 25.825,32.1 29.975,32.1 50.025,32.1 54.175,32.1 27.9,34.175 52.1,34.175
GPIO_7: J1.59 R1.2 U3.7 | length 65.1
  Top Copper w0.127: v1(8.887,24.5) 8.887,23.189 9.766,22.31 10.114,22.31 10.624,21.8 v1@15.736,21.8 ; v1(15.748,21.781) 15.748,21.788 v1@15.736,21.8 ; J1.59@18.46,21.8 v1@15.736,21.8 ; R1.2@46.228,31.534 46.228,34.036 46.736,34.544 v1(46.736,35.306)
  Signal Layer 1 w0.127: v1(15.748,21.781) 15.748,24.13 15.24,24.638 15.24,27.996 15.233,28.003 15.233,34.029 16.176,34.972 16.176,35.135 20.157,39.116 43.539,39.116 46.736,35.919 v1(46.736,35.306)
  Bottom Layer w0.127: U3.7@7.65,25.15 U3.7@7.9,25.15 7.932,25.118 8.269,25.118 v1(8.887,24.5)
GPIO_7_3V3: J2.6 U3.14 | length 2
  Bottom Layer w0.127: J2.6@3,24.125 4.025,25.15 U3.14@4.6,25.15
GPIO_8/SPI0_SS_1: J1.60 U3.5 | length 18.7
  Top Copper w0.127: J1.60@21.54,21.8 v1(22.2,21.8)
  Layer 1 w0.127: v1(12.05,26.06) 12.392,25.718 12.527,25.583 12.536,25.593 cw(c12.63,25.498) 12.725,25.593 12.806,25.512 cw(c12.711,25.418) 12.806,25.323 12.796,25.314 12.792,25.309 ccw(c12.886,25.215) 12.792,25.121 12.872,25.04 ccw(c12.967,25.134) 13.061,25.04 13.066,25.044 13.075,25.054 cw(c13.169,24.96) 13.264,25.054 13.344,24.973 cw(c13.25,24.879) 13.344,24.784 13.335,24.775 13.33,24.77 ccw(c13.425,24.676) 13.33,24.582 13.411,24.501 ccw(c13.506,24.595) 13.6,24.501 13.604,24.506 13.677,24.578 cw(c13.771,24.484) 13.866,24.578 13.946,24.497 cw(c13.852,24.403) 13.946,24.309 ccw(c14.019,24.236) 13.946,24.163 14.047,24.063 14.237,24.063 14.618,24.063 14.88,24.063 15.714,24.063 16.631,23.146 18.377,23.146 18.72,22.803 19.725,22.803 19.975,22.803 20.236,22.803 cw(c20.236,22.682) 20.356,22.682 ccw(c20.49,22.682) 20.49,22.549 20.604,22.549 ccw(c20.604,22.682) 20.737,22.682 20.737,22.803 20.737,22.924 cw(c20.871,22.924) 20.871,23.057 20.985,23.057 cw(c20.985,22.924) 21.118,22.924 ccw(c21.239,22.924) 21.239,22.803 21.499,22.803 21.69,22.803 22.2,22.293 v1(22.2,21.8)
  Bottom Layer w0.127: U3.5@7.9,26.15 8.85,26.15 8.94,26.06 v1(12.05,26.06)
GPIO_8/SPI0_SS_1_3V3: J2.4 U3.16 | length 1.8
  Bottom Layer w0.127: J2.4@3,26.625 3.475,26.15 U3.16@4.6,26.15
GPIO_32_3V3: J1.61 J3.1 | length 19.4
  Top Copper w0.127: J3.1@10,30.375 8.85,29.225 8.85,27.92 9.46,27.31 10.559,27.31 10.915,26.954 10.915,26.498 11.693,25.719 11.71,25.702 cw(c11.625,25.617) 11.71,25.531 ccw(c11.805,25.437) 11.71,25.343 11.791,25.262 ccw(c11.886,25.356) 11.98,25.262 12.065,25.347 12.151,25.432 cw(c12.245,25.338) 12.339,25.432 12.42,25.352 cw(c12.326,25.257) 12.42,25.163 12.335,25.078 12.249,24.992 ccw(c12.344,24.898) 12.249,24.804 12.33,24.723 ccw(c12.424,24.817) 12.519,24.723 12.604,24.808 12.689,24.894 cw(c12.784,24.799) 12.878,24.894 12.959,24.813 cw(c12.864,24.719) 12.959,24.624 12.873,24.539 12.788,24.454 ccw(c12.882,24.359) 12.788,24.265 12.869,24.184 ccw(c12.963,24.279) 13.058,24.184 13.143,24.27 13.228,24.355 cw(c13.322,24.261) 13.417,24.355 13.498,24.274 cw(c13.403,24.18) 13.498,24.085 13.412,24 13.327,23.915 ccw(c13.421,23.821) 13.327,23.726 13.408,23.645 ccw(c13.502,23.74) 13.596,23.645 13.682,23.731 13.767,23.816 cw(c13.861,23.722) 13.956,23.816 14.036,23.735 cw(c13.942,23.641) 14.036,23.547 13.951,23.461 13.866,23.376 ccw(c13.96,23.282) 13.866,23.187 13.947,23.107 ccw(c14.041,23.201) 14.135,23.107 14.22,23.192 14.306,23.277 cw(c14.4,23.183) 14.494,23.277 14.575,23.196 cw(c14.481,23.102) 14.575,23.008 14.49,22.922 14.405,22.837 ccw(c14.499,22.743) 14.405,22.649 14.485,22.568 ccw(c14.58,22.662) 14.674,22.568 cw(c14.759,22.482) 14.845,22.568 14.894,22.518 15.212,22.2 J1.61@18.435,22.2
GPIO_33_3V3: J1.63 J3.2 | length 18.9
  Top Copper w0.127: J3.2@10,29.125 10.685,28.44 10.734,28.391 ccw(c10.82,28.476) 10.905,28.391 cw(c10.999,28.296) 11.094,28.391 11.174,28.31 cw(c11.08,28.216) 11.174,28.121 11.089,28.036 11.004,27.951 ccw(c11.098,27.856) 11.004,27.762 11.085,27.681 ccw(c11.179,27.776) 11.273,27.681 11.358,27.767 11.444,27.852 cw(c11.538,27.758) 11.632,27.852 11.713,27.771 cw(c11.619,27.677) 11.713,27.582 11.628,27.497 11.543,27.412 ccw(c11.637,27.318) 11.543,27.223 11.623,27.142 ccw(c11.718,27.237) 11.812,27.142 11.897,27.228 11.956,27.287 cw(c12.051,27.193) 12.145,27.287 12.226,27.206 cw(c12.132,27.112) 12.226,27.018 12.167,26.958 12.081,26.873 ccw(c12.176,26.779) 12.081,26.684 12.162,26.604 ccw(c12.256,26.698) 12.351,26.604 12.436,26.689 12.521,26.774 cw(c12.616,26.68) 12.71,26.774 12.791,26.693 cw(c12.696,26.599) 12.791,26.505 12.705,26.42 12.62,26.334 ccw(c12.714,26.24) 12.62,26.146 12.701,26.065 ccw(c12.795,26.159) 12.89,26.065 12.975,26.15 13.06,26.235 cw(c13.154,26.141) 13.249,26.235 13.33,26.155 cw(c13.235,26.06) 13.33,25.966 13.244,25.881 13.159,25.795 ccw(c13.253,25.701) 13.159,25.607 13.24,25.526 ccw(c13.334,25.62) 13.428,25.526 13.514,25.611 13.599,25.697 cw(c13.693,25.602) 13.788,25.697 13.868,25.616 cw(c13.774,25.522) 13.868,25.427 13.783,25.342 13.698,25.257 ccw(c13.792,25.162) 13.698,25.068 13.779,24.987 ccw(c13.873,25.081) 13.967,24.987 14.052,25.073 14.138,25.158 cw(c14.232,25.064) 14.326,25.158 14.407,25.077 cw(c14.313,24.983) 14.407,24.888 14.322,24.803 14.237,24.718 ccw(c14.331,24.623) 14.237,24.529 14.317,24.448 ccw(c14.412,24.543) 14.506,24.448 14.591,24.534 14.677,24.619 cw(c14.771,24.525) 14.865,24.619 14.946,24.538 cw(c14.852,24.444) 14.946,24.35 14.861,24.264 14.775,24.179 ccw(c14.87,24.085) 14.775,23.99 14.856,23.91 ccw(c14.951,24.004) 15.045,23.91 15.13,23.995 15.215,24.08 cw(c15.31,23.986) 15.404,24.08 15.485,23.999 cw(c15.391,23.905) 15.485,23.811 15.4,23.725 15.314,23.64 ccw(c15.409,23.546) 15.314,23.452 15.395,23.371 ccw(c15.489,23.465) 15.584,23.371 15.669,23.456 15.754,23.541 cw(c15.849,23.447) 15.943,23.541 16.024,23.461 cw(c15.929,23.366) 16.024,23.272 15.938,23.187 15.853,23.101 ccw(c15.947,23.007) 15.853,22.913 15.934,22.832 ccw(c16.028,22.926) 16.122,22.832 cw(c16.208,22.747) 16.293,22.832 16.477,22.648 16.525,22.6 16.716,22.6 16.791,22.6 J1.63@18.46,22.6
GPIO_34_3V3: J1.40 J3.6 | length 20.1
  Top Copper w0.127: v1(20.4,17.3) 20.9,17.8 J1.40@21.54,17.8
  Signal Layer 1 w0.127: J3.6@10,24.125 10.297,24.125 11.106,23.316 11.108,23.314 ccw(c11.193,23.399) 11.278,23.314 cw(c11.373,23.22) 11.467,23.314 11.548,23.233 cw(c11.454,23.139) 11.548,23.045 11.463,22.959 11.429,22.926 ccw(c11.523,22.832) 11.429,22.738 11.51,22.657 ccw(c11.604,22.751) 11.699,22.657 11.732,22.69 11.743,22.701 cw(c11.837,22.607) 11.932,22.701 12.012,22.62 cw(c11.918,22.526) 12.012,22.432 12.001,22.421 11.968,22.387 ccw(c12.062,22.293) 11.968,22.199 12.049,22.118 ccw(c12.143,22.212) 12.237,22.118 12.271,22.151 12.282,22.162 cw(c12.376,22.068) 12.47,22.162 12.551,22.081 cw(c12.457,21.987) 12.551,21.893 12.54,21.882 12.507,21.849 ccw(c12.601,21.754) 12.507,21.66 12.588,21.579 ccw(c12.682,21.673) 12.776,21.579 12.81,21.612 12.821,21.623 cw(c12.915,21.529) 13.009,21.623 13.09,21.543 cw(c12.996,21.448) 13.09,21.354 13.079,21.343 13.046,21.31 ccw(c13.14,21.215) 13.046,21.121 13.126,21.04 ccw(c13.221,21.135) 13.315,21.04 13.348,21.074 13.359,21.085 cw(c13.454,20.99) 13.548,21.085 13.629,21.004 cw(c13.534,20.909) 13.629,20.815 13.618,20.804 13.584,20.771 ccw(c13.679,20.677) 13.584,20.582 13.665,20.501 ccw(c13.76,20.596) 13.854,20.501 13.887,20.535 13.898,20.546 cw(c13.992,20.451) 14.087,20.546 14.168,20.465 cw(c14.073,20.371) 14.168,20.276 14.157,20.265 14.123,20.232 ccw(c14.218,20.138) 14.123,20.043 14.204,19.963 ccw(c14.298,20.057) 14.393,19.963 14.426,19.996 14.437,20.007 cw(c14.531,19.913) 14.626,20.007 14.706,19.926 cw(c14.612,19.832) 14.706,19.738 14.695,19.727 14.662,19.693 ccw(c14.756,19.599) 14.662,19.505 14.743,19.424 ccw(c14.837,19.518) 14.932,19.424 14.965,19.457 14.976,19.468 cw(c15.07,19.374) 15.164,19.468 15.245,19.387 cw(c15.151,19.293) 15.245,19.199 15.234,19.188 15.201,19.154 ccw(c15.295,19.06) 15.201,18.966 15.282,18.885 ccw(c15.376,18.979) 15.47,18.885 15.504,18.918 15.515,18.929 cw(c15.609,18.835) 15.703,18.929 15.784,18.849 cw(c15.69,18.754) 15.784,18.66 15.773,18.649 15.74,18.616 ccw(c15.834,18.521) 15.74,18.427 15.821,18.346 ccw(c15.915,18.441) 16.009,18.346 16.042,18.38 16.053,18.391 cw(c16.148,18.296) 16.242,18.391 16.323,18.31 cw(c16.229,18.215) 16.323,18.121 16.312,18.11 16.279,18.077 ccw(c16.373,17.983) 16.279,17.888 16.359,17.807 ccw(c16.454,17.902) 16.548,17.807 cw(c16.581,17.774) 16.615,17.807 16.851,17.571 16.985,17.437 17.176,17.437 17.436,17.437 ccw(c17.436,17.557) 17.557,17.557 cw(c17.69,17.557) 17.69,17.691 17.805,17.691 cw(c17.805,17.557) 17.938,17.557 17.938,17.437 17.938,17.43 ccw(c18.071,17.43) 18.071,17.297 18.186,17.297 ccw(c18.186,17.43) 18.319,17.43 18.319,17.437 18.319,17.557 cw(c18.452,17.557) 18.452,17.691 18.567,17.691 cw(c18.567,17.557) 18.7,17.557 18.7,17.437 18.7,17.43 ccw(c18.833,17.43) 18.833,17.297 18.948,17.297 ccw(c18.948,17.43) 19.081,17.43 19.081,17.437 19.272,17.437 19.9,17.437 20.006,17.33 20.37,17.33 v1(20.4,17.3)
GPIO_35_3V3: J1.38 J3.5 | length 19.7
  Top Copper w0.127: v1(19.747,17.068) 19.778,17.038 20.141,17.038 20.247,16.932 20.553,16.932 20.999,17.379 21.519,17.379 J1.38@21.54,17.4
  Signal Layer 1 w0.127: J3.5@10,25.375 9.435,24.81 9.435,23.891 9.886,23.44 10.403,23.44 11.091,22.752 11.141,22.703 cw(c11.056,22.617) 11.141,22.532 ccw(c11.235,22.438) 11.141,22.344 11.222,22.263 ccw(c11.316,22.357) 11.41,22.263 cw(c11.496,22.177) 11.581,22.263 11.751,22.093 cw(c11.737,22.079) 11.751,22.065 ccw(c11.845,21.97) 11.751,21.876 11.832,21.795 ccw(c11.926,21.889) 12.02,21.795 cw(c12.034,21.781) 12.048,21.795 12.218,21.625 cw(c12.133,21.54) 12.218,21.454 ccw(c12.313,21.36) 12.218,21.266 12.299,21.185 ccw(c12.394,21.279) 12.488,21.185 cw(c12.573,21.1) 12.658,21.185 12.757,21.086 cw(c12.672,21.001) 12.757,20.916 ccw(c12.852,20.821) 12.757,20.727 12.838,20.646 ccw(c12.932,20.741) 13.027,20.646 cw(c13.112,20.561) 13.197,20.646 13.296,20.547 cw(c13.211,20.462) 13.296,20.377 ccw(c13.39,20.283) 13.296,20.188 13.377,20.107 ccw(c13.471,20.202) 13.565,20.107 cw(c13.651,20.022) 13.736,20.107 13.835,20.009 cw(c13.75,19.923) 13.835,19.838 ccw(c13.929,19.744) 13.835,19.649 13.916,19.569 ccw(c14.01,19.663) 14.104,19.569 cw(c14.19,19.483) 14.275,19.569 14.374,19.47 cw(c14.288,19.385) 14.374,19.299 ccw(c14.468,19.205) 14.374,19.111 14.455,19.03 ccw(c14.549,19.124) 14.643,19.03 cw(c14.728,18.944) 14.814,19.03 14.913,18.931 cw(c14.827,18.846) 14.913,18.76 ccw(c15.007,18.666) 14.913,18.572 14.993,18.491 ccw(c15.088,18.585) 15.182,18.491 cw(c15.267,18.406) 15.353,18.491 15.451,18.392 cw(c15.366,18.307) 15.451,18.222 ccw(c15.546,18.127) 15.451,18.033 15.532,17.952 ccw(c15.626,18.046) 15.721,17.952 cw(c15.806,17.867) 15.891,17.952 15.99,17.853 cw(c15.905,17.768) 15.99,17.683 ccw(c16.084,17.588) 15.99,17.494 16.071,17.413 ccw(c16.165,17.508) 16.26,17.413 16.28,17.434 cw(c16.345,17.368) 16.41,17.434 16.775,17.068 v1(19.747,17.068)
GPIO_36_3V3: J1.36 J3.3 | length 20.9
  Top Copper w0.127: v1(20,16.6) 20.629,16.6 21.029,17 J1.36@21.54,17
  Signal Layer 1 w0.127: J3.3@10,27.875 9.435,27.31 9.435,26.391 9.886,25.94 10.234,25.94 12.154,24.02 12.154,22.801 16.953,18.003 19.285,18.003 19.466,18.184 20.437,18.184 20.768,17.853 20.768,17.147 20.274,16.653 20.053,16.653 v1(20,16.6)
GPIO_37_3V3: J1.32 J3.4 | length 18.9
  Top Copper w0.127: J1.32@21.565,16.2 21.592,16.227 22.016,16.227 22.02,16.231 22.505,16.231 v1(22.517,16.219)
  Signal Layer 1 w0.127: J3.4@10,26.625 13.602,23.023 13.602,21.677 17.047,18.232 19.19,18.232 19.371,18.413 20.531,18.413 22.451,16.493 22.451,16.285 v1(22.517,16.219)
GPIO_53: J1.69 J10.7 R5.2 | length 51.4
  Top Copper w0.127: J1.69@18.46,23.8 16.9,23.8 15.618,25.082 15.618,29.919 17.338,31.639 20.439,31.639 22.528,33.728 22.528,37.944 22.501,37.971 J10.7@22.528,37.998 ; R5.2@47.819,31.532 v1(47.819,32.51)
  Signal Layer 1 w0.127: J10.7@22.528,37.998 23.392,38.862 43.434,38.862 46.228,36.068 46.228,35.052 47.819,33.461 v1(47.819,32.51)
I2C1_SCL: J1.35 J6.6 | length 43.9
  Top Copper w0.127: J1.35@18.46,17 18.72,17 18.865,17.145 18.98,17.145 19.651,17.816 v1(19.716,17.816) ; v1(43.409,21.209) 43.409,18.291 45.495,16.205 55.674,16.205 55.728,16.259 J6.6@56.328,16.259
  Bottom Layer w0.127: v1(19.716,17.816) 19.716,17.837 20.111,18.232 21.82,18.232 22.12,18.532 41.563,18.532 43.409,20.377 v1(43.409,21.209)
I2C1_SDA: J1.33 J6.7 | length 45.8
  Top Copper w0.127: J1.33@18.46,16.6 18.72,16.6 18.865,16.745 18.903,16.745 19.595,17.437 19.937,17.437 v1(20.3,17.8) ; v1(44.044,22.123) 44.044,18.034 45.555,16.523 54.823,16.523 55.059,16.759 55.728,16.759 J6.7@56.328,16.759
  Bottom Layer w0.127: v1@20.278,17.822 v1(20.3,17.8) 21.712,17.8 22.215,18.303 41.658,18.303 44.044,20.689 v1(44.044,22.123)
I2C2_SCL: J1.77 J8.11 J9.11 | length 59.2
  Top Copper w0.127: v1(17.2,25.3) 17.276,25.3 17.376,25.4 J1.77@18.435,25.4 ; J8.11@39.75,36.25 39.75,35.75 v1(39.751,34.722) v1(39.751,34.722) ; J9.11@40.25,3.75 40.25,4.25 40.25,5.727 39.432,6.545 39.432,22.556 39.5,22.624 v1(39.5,23.9) 39.5,32.871 40.076,33.446 40.246,33.446 v1(40.3,33.5)
  Signal Layer 1 w0.127: v1(39.751,34.722) 39.758,34.715 39.758,34.426 40.3,33.884 v1(40.3,33.5)
  Bottom Layer w0.127: v1(17.2,25.3) 17.2,24.304 18.472,23.032 19.892,23.032 20.105,22.818 20.138,22.818 20.153,22.803 37.703,22.803 38.8,23.9 v1(39.5,23.9)
I2C2_SDA: J1.79 J8.10 J9.10 | length 59.6
  Top Copper w0.127: v1(16.866,25.908) 16.877,25.896 17.157,25.896 17.253,25.8 J1.79@18.435,25.8 ; J9.10@39.75,3.75 39.75,4.25 39.75,5.2 39,5.95 v1(39,23.1) 39,32.873 40.25,34.123 40.25,35.75 J8.10@40.25,36.25
  Bottom Layer w0.127: v1(16.866,25.908) 16.832,25.874 16.832,24.349 18.377,22.803 19.618,22.803 19.832,22.589 20.043,22.589 20.058,22.574 38.475,22.574 v1(39,23.1)
I2C3_SCL: J1.78 J10.3 | length 40.3
  Top Copper w0.127: J1.78@21.565,25.4 22.223,25.4 23.168,24.455 23.168,23.847 22.932,23.611 22.932,23.247 23.147,23.032 23.532,23.032 v1(24,23.5) ; J10.3@27.528,37.998 27.528,38.728 27.767,38.967 30.653,38.967 30.871,38.749 30.871,36.929 37.092,30.708 37.092,23.683 37.3,23.476 v1(37.3,23.4)
  Bottom Layer w0.127: v1(24,23.5) 24.1,23.4 v1(37.3,23.4)
I2C3_SDA: J1.80 J10.4 | length 41.3
  Top Copper w0.127: J1.80@21.565,25.8 22.147,25.8 23.397,24.55 23.397,23.753 23.353,23.709 23.353,23.453 v1(23.3,23.4) ; J10.4@26.278,37.998 27.549,39.27 30.773,39.27 31.17,38.873 31.17,37.053 37.321,30.902 37.321,24.116 v1(37.568,23.868)
  Bottom Layer w0.127: v1(23.3,23.4) 23.379,23.4 23.847,23.868 24.153,23.868 24.253,23.768 37.453,23.768 37.46,23.76 v1(37.568,23.868)
MIPI_C_N: D7.2 D7.9 J1.3 J6.18 | length 46.7
  Top Copper w0.127: J1.3@18.46,10.6 18.72,10.6 18.806,10.686 19.508,10.686 19.642,10.552 v1(19.717,10.552) ; v1(54.631,22.252) 54.706,22.252 54.839,22.386 55.464,22.386 55.6,22.25 J6.18@55.95,22.25
  Bottom Layer w0.127: v1(19.717,10.552) 19.793,10.552 19.926,10.686 23.793,10.686 26.204,13.096 49.265,13.096 49.493,13.324 51.168,14.999 51.546,15.377 51.546,21.847 52.114,22.414 52.739,22.414 52.813,22.34 52.813,22.315 52.85,22.279 D7.9@53.032,22.279 53.215,22.279 53.252,22.315 53.252,22.34 53.326,22.414 53.574,22.414 53.648,22.34 53.648,22.315 53.685,22.279 D7.2@53.867,22.279 54.05,22.279 54.087,22.315 54.087,22.34 54.161,22.414 54.393,22.414 54.555,22.252 v1(54.631,22.252)
MIPI_C_P: D7.1 D7.10 J1.5 J6.19 | length 46.7
  Top Copper w0.127: J1.5@18.46,11 18.72,11 18.806,10.914 19.508,10.914 19.642,11.048 v1(19.717,11.048) ; v1(54.631,22.748) 54.706,22.748 54.839,22.614 55.464,22.614 55.6,22.75 J6.19@55.95,22.75
  Bottom Layer w0.127: v1(19.717,11.048) 19.793,11.048 19.926,10.914 23.699,10.914 26.109,13.324 49.17,13.324 49.332,13.486 50.303,14.458 50.933,15.088 51.006,15.161 51.318,15.472 51.318,15.606 51.318,21.942 52.019,22.643 52.739,22.643 52.813,22.717 52.813,22.742 52.85,22.779 D7.10@53.032,22.779 53.215,22.779 53.252,22.742 53.252,22.717 53.326,22.643 53.574,22.643 53.648,22.717 53.648,22.742 53.685,22.779 D7.1@53.867,22.779 54.05,22.779 54.087,22.742 54.087,22.717 54.161,22.643 54.45,22.643 54.555,22.748 v1(54.631,22.748)
MIPI_D0_N: D5.5 D5.6 J1.9 J6.21 | length 46.7
  Top Copper w0.127: J1.9@18.46,11.8 18.72,11.8 18.806,11.886 19.013,11.886 19.047,11.851 19.814,11.851 19.948,11.718 v1(20.023,11.718) ; v1(54.713,23.752) 54.788,23.752 54.922,23.886 55.464,23.886 55.6,23.75 J6.21@55.95,23.75
  Bottom Layer w0.127: v1(20.023,11.718) 20.099,11.718 20.232,11.851 23.445,11.851 25.777,14.184 47.498,14.184 48.577,15.263 48.897,15.584 50.47,17.157 50.538,17.225 50.538,23.343 51.169,23.974 52.739,23.974 52.813,23.899 52.813,23.875 52.85,23.838 D5.6@53.032,23.838 53.215,23.838 53.252,23.875 53.252,23.899 53.326,23.974 53.574,23.974 53.648,23.899 53.648,23.875 53.685,23.838 D5.5@53.867,23.838 54.05,23.838 54.087,23.875 54.087,23.899 54.161,23.974 54.416,23.974 54.637,23.752 v1(54.713,23.752)